# Altium PCB Tag201_GangProgrammerRev2.PcbDoc (part 1 of 7) (continued)
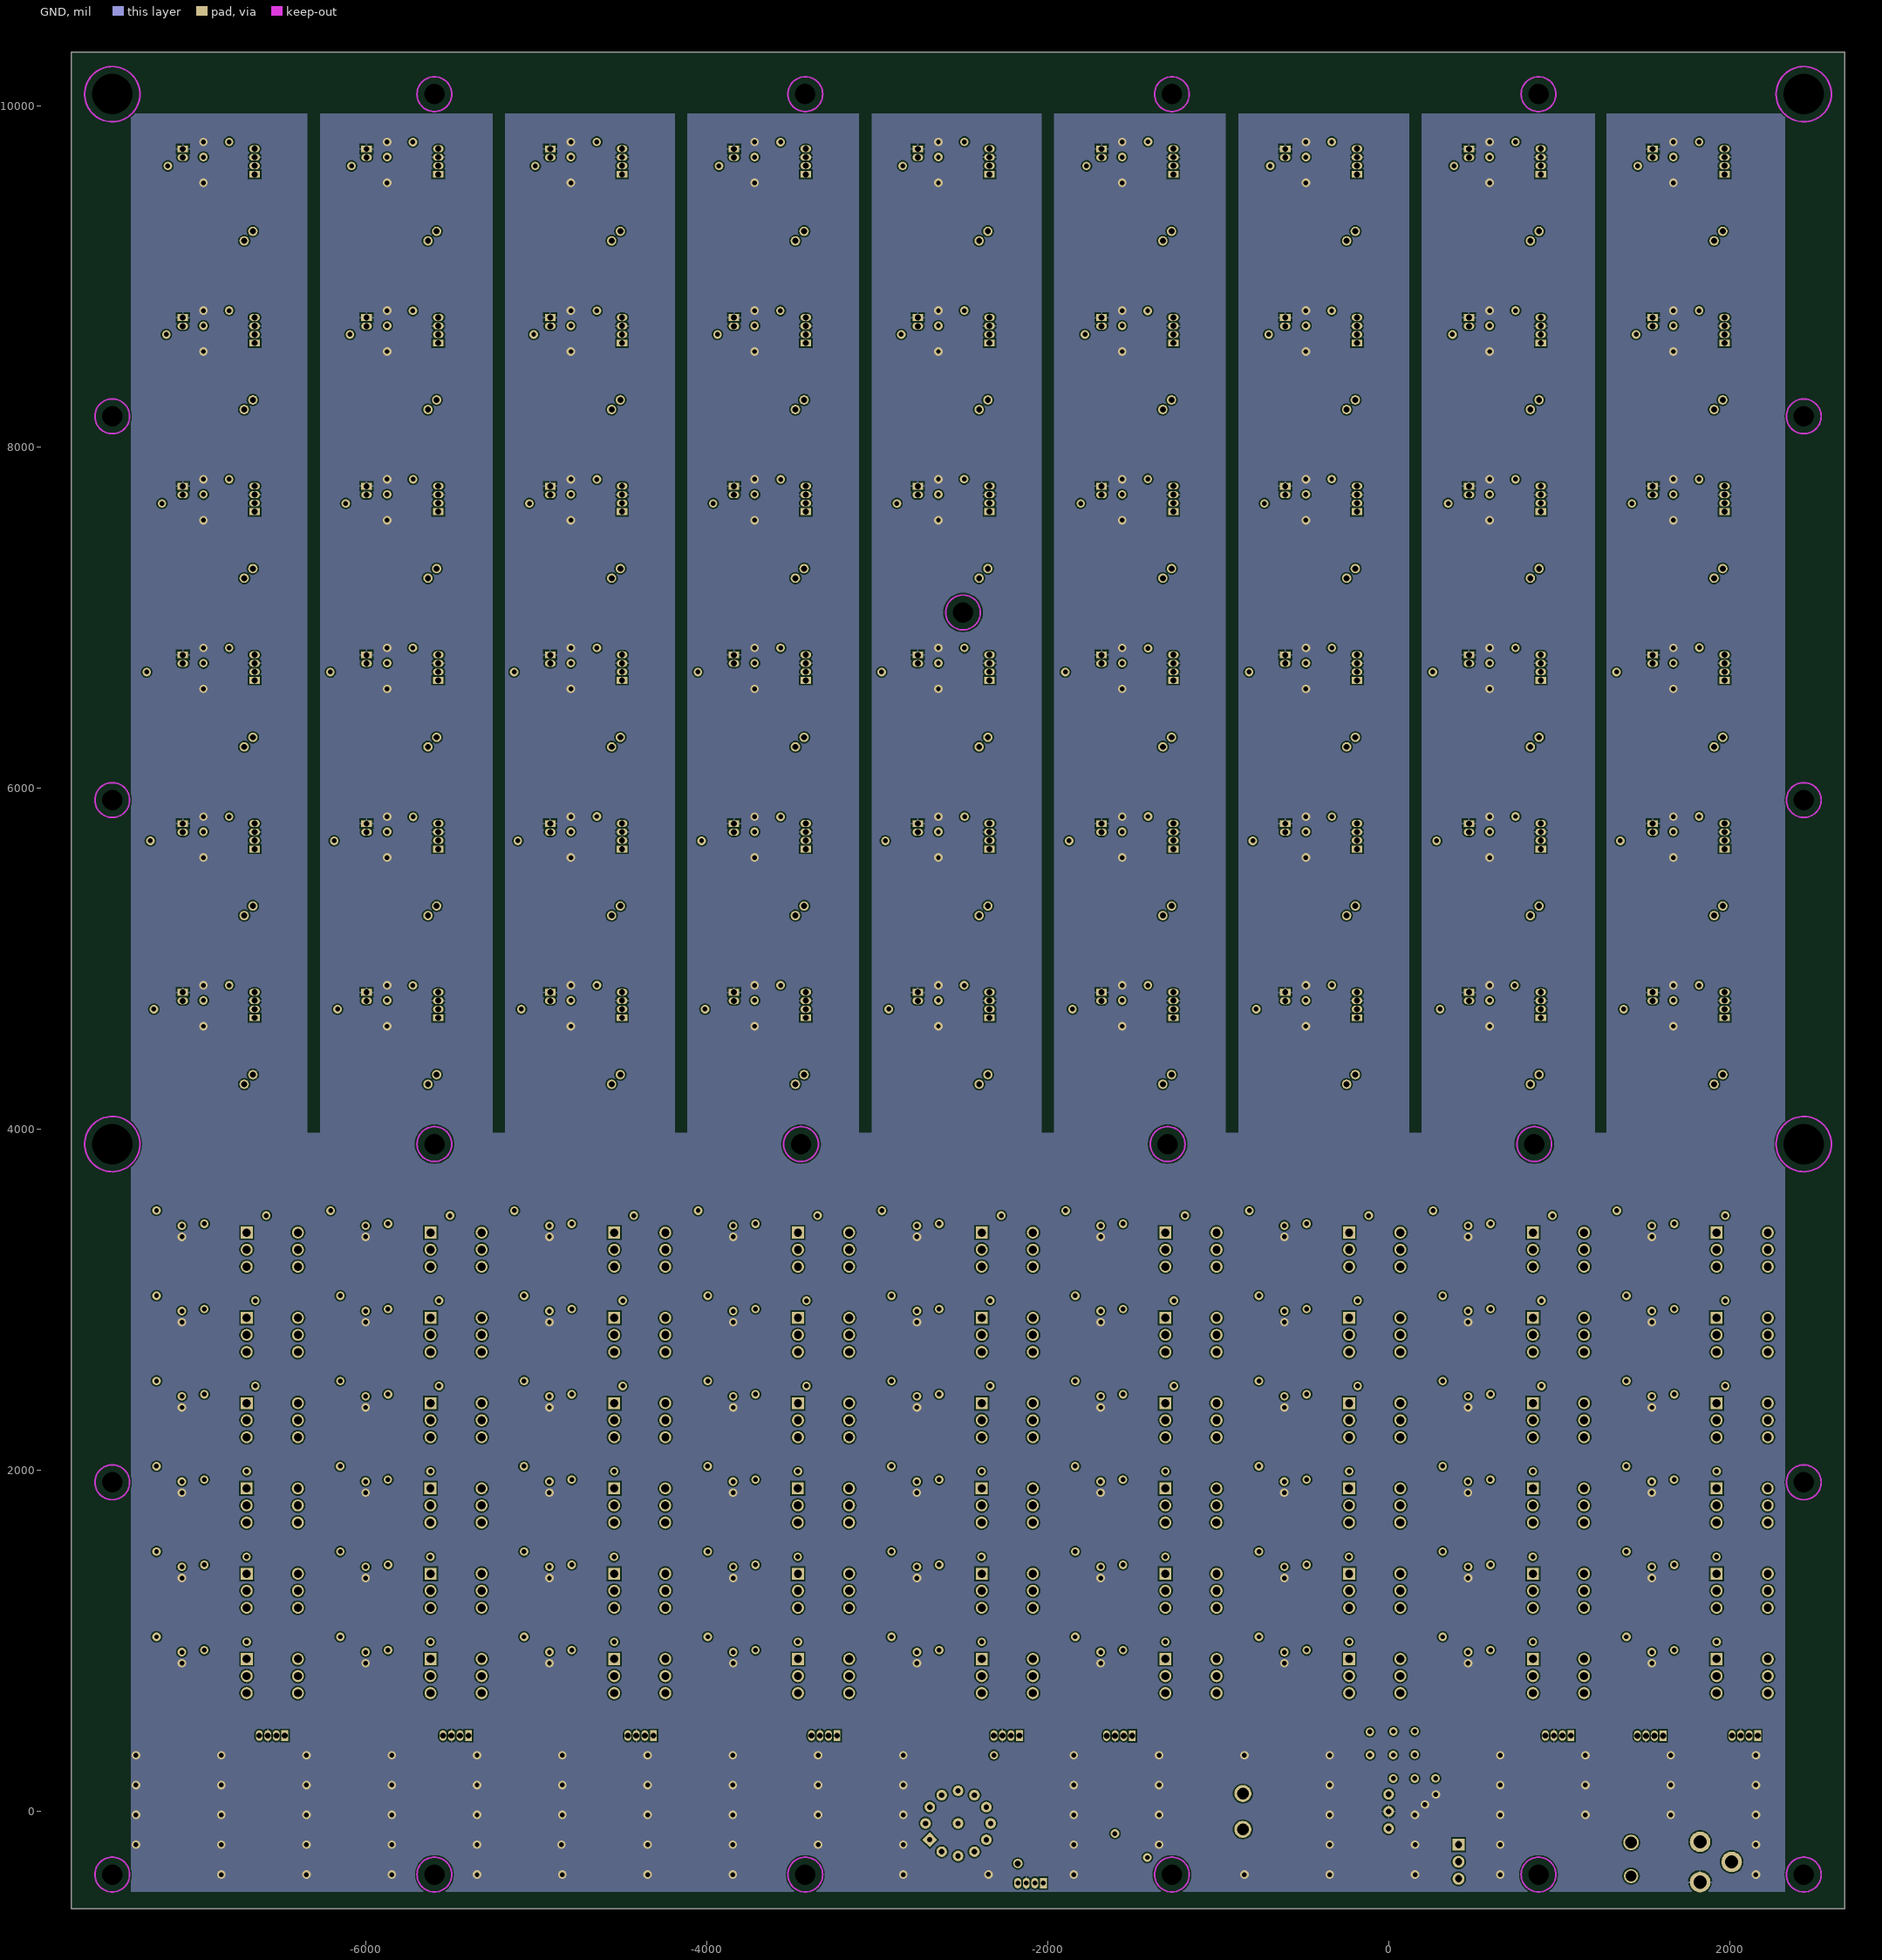
[diagram p3: GND]

## Layer stack, top to bottom
Top Layer: signal copper 1.4
Dielectric: core 10.5, FR-4, Dk 4.8
VCC: signal copper 1.4
Dielectric: prepreg 11.1, FR-4, Dk 4.8
GND: signal copper 1.4
Dielectric: core 40, FR-4, Dk 4.8
Bottom Layer: signal copper 1.4

## Board outline
-7725,-570 -7725,10315 2675,10315 2675,-570

## Design rules (kind name [scope] priority, off if disabled: settings)
Clearance [All] p1: gap=8
FabricationTestpoint [(IsPad And (OnTopLayer Or OnBottomLayer))] p1: side=3 testpointundercomponent=TRUE minsize=40 maxsize=100 preferedsize=60 minholesize=0 maxholesize=40 preferedholesize=32 testpointgrid=1 allowsidetop=TRUE allowsidebottom=TRUE usegrid=TRUE gridtolerance=0.01
Height [All] p1: minheight=0 maxheight=1100 prefheight=500
HoleSize [All] p1: absolutevalues=TRUE maxlimit=250 minlimit=12 maxpercent=80.000 minpercent=20.000
MinimumSolderMaskSliver [All] p1: minsoldermaskwidth=5
PolygonConnect PolygonConnectVia [All vs IsVia] p1: connectstyle=Direct reliefconductorwidth=10 reliefentries=4 polygonreliefangle="90 Angle" airgapwidth=10
PolygonConnect [All] p2: connectstyle=Relief reliefconductorwidth=10 reliefentries=4 polygonreliefangle="90 Angle" airgapwidth=10
RoomDefinition COL5_ROW1 [InComponentClass('COL5_ROW1')] p1: confinementstyle=ConfineIn formatcopy=FALSE lockcomponents=FALSE outline -3064,3080 -1986.5,3080 -1986.5,9958 -3064,9958
RoomDefinition COL5_ROW2 [InComponentClass('COL5_ROW2')] p2: confinementstyle=ConfineIn formatcopy=FALSE lockcomponents=FALSE outline -3064,2580 -1986.5,2580 -1986.5,8969 -3064,8969
RoomDefinition COL5_ROW3 [InComponentClass('COL5_ROW3')] p3: confinementstyle=ConfineIn formatcopy=FALSE lockcomponents=FALSE outline -3064,2080 -1986.5,2080 -1986.5,7980 -3064,7980
RoomDefinition COL5_ROW4 [InComponentClass('COL5_ROW4')] p4: confinementstyle=ConfineIn formatcopy=FALSE lockcomponents=FALSE outline -3064,1580 -1986.5,1580 -1986.5,6991 -3064,6991
RoomDefinition COL5_ROW5 [InComponentClass('COL5_ROW5')] p5: confinementstyle=ConfineIn formatcopy=FALSE lockcomponents=FALSE outline -3064,1080 -1986.5,1080 -1986.5,6002 -3064,6002
RoomDefinition COL5_ROW6 [InComponentClass('COL5_ROW6')] p6: confinementstyle=ConfineIn formatcopy=TRUE lockcomponents=FALSE outline -3064,580 -1986.5,580 -1986.5,5013 -3064,5013
RoomDefinition COL6_ROW1 [InComponentClass('COL6_ROW1')] p7: confinementstyle=ConfineIn formatcopy=FALSE lockcomponents=FALSE outline -1986.5,3080 -909,3080 -909,9958 -1986.5,9958
RoomDefinition COL6_ROW2 [InComponentClass('COL6_ROW2')] p8: confinementstyle=ConfineIn formatcopy=FALSE lockcomponents=FALSE outline -1986.5,2580 -909,2580 -909,8969 -1986.5,8969
RoomDefinition COL6_ROW3 [InComponentClass('COL6_ROW3')] p9: confinementstyle=ConfineIn formatcopy=FALSE lockcomponents=FALSE outline -1986.5,2080 -909,2080 -909,7980 -1986.5,7980
RoomDefinition COL6_ROW4 [InComponentClass('COL6_ROW4')] p10: confinementstyle=ConfineIn formatcopy=FALSE lockcomponents=FALSE outline -1986.5,1580 -909,1580 -909,6991 -1986.5,6991
RoomDefinition COL6_ROW5 [InComponentClass('COL6_ROW5')] p11: confinementstyle=ConfineIn formatcopy=FALSE lockcomponents=FALSE outline -1986.5,1080 -909,1080 -909,6002 -1986.5,6002
RoomDefinition COL6_ROW6 [InComponentClass('COL6_ROW6')] p12: confinementstyle=ConfineIn formatcopy=TRUE lockcomponents=FALSE outline -1986.5,580 -909,580 -909,5013 -1986.5,5013
RoomDefinition COL7_ROW1 [InComponentClass('COL7_ROW1')] p13: confinementstyle=ConfineIn formatcopy=FALSE lockcomponents=FALSE outline -909,3080 168.5,3080 168.5,9958 -909,9958
RoomDefinition COL7_ROW2 [InComponentClass('COL7_ROW2')] p14: confinementstyle=ConfineIn formatcopy=FALSE lockcomponents=FALSE outline -909,2580 168.5,2580 168.5,8969 -909,8969
RoomDefinition COL7_ROW3 [InComponentClass('COL7_ROW3')] p15: confinementstyle=ConfineIn formatcopy=FALSE lockcomponents=FALSE outline -909,2080 168.5,2080 168.5,7980 -909,7980
RoomDefinition COL7_ROW4 [InComponentClass('COL7_ROW4')] p16: confinementstyle=ConfineIn formatcopy=FALSE lockcomponents=FALSE outline -909,1580 168.5,1580 168.5,6991 -909,6991
RoomDefinition COL7_ROW5 [InComponentClass('COL7_ROW5')] p17: confinementstyle=ConfineIn formatcopy=FALSE lockcomponents=FALSE outline -909,1080 168.5,1080 168.5,6002 -909,6002
RoomDefinition COL7_ROW6 [InComponentClass('COL7_ROW6')] p18: confinementstyle=ConfineIn formatcopy=TRUE lockcomponents=FALSE outline -909,580 168.5,580 168.5,5013 -909,5013
RoomDefinition COL8_ROW1 [InComponentClass('COL8_ROW1')] p19: confinementstyle=ConfineIn formatcopy=FALSE lockcomponents=FALSE outline 168.5,3080 1246,3080 1246,9958 168.5,9958
RoomDefinition COL8_ROW2 [InComponentClass('COL8_ROW2')] p20: confinementstyle=ConfineIn formatcopy=FALSE lockcomponents=FALSE outline 168.5,2580 1246,2580 1246,8969 168.5,8969
RoomDefinition COL8_ROW3 [InComponentClass('COL8_ROW3')] p21: confinementstyle=ConfineIn formatcopy=FALSE lockcomponents=FALSE outline 168.5,2080 1246,2080 1246,7980 168.5,7980
RoomDefinition COL8_ROW4 [InComponentClass('COL8_ROW4')] p22: confinementstyle=ConfineIn formatcopy=FALSE lockcomponents=FALSE outline 168.5,1580 1246,1580 1246,6991 168.5,6991
RoomDefinition COL8_ROW5 [InComponentClass('COL8_ROW5')] p23: confinementstyle=ConfineIn formatcopy=FALSE lockcomponents=FALSE outline 168.5,1080 1246,1080 1246,6002 168.5,6002
RoomDefinition COL8_ROW6 [InComponentClass('COL8_ROW6')] p24: confinementstyle=ConfineIn formatcopy=TRUE lockcomponents=FALSE outline 168.5,580 1246,580 1246,5013 168.5,5013
RoomDefinition COL9_ROW3 [InComponentClass('COL9_ROW3')] p25: confinementstyle=ConfineIn formatcopy=FALSE lockcomponents=FALSE outline 1246,2080 2323.5,2080 2323.5,7980 1246,7980
RoomDefinition COL9_ROW1 [InComponentClass('COL9_ROW1')] p26: confinementstyle=ConfineIn formatcopy=FALSE lockcomponents=FALSE outline 1246,3080 2323.5,3080 2323.5,9958 1246,9958
RoomDefinition COL9_ROW2 [InComponentClass('COL9_ROW2')] p27: confinementstyle=ConfineIn formatcopy=FALSE lockcomponents=FALSE outline 1246,2580 2323.5,2580 2323.5,8969 1246,8969
RoomDefinition COL9_ROW4 [InComponentClass('COL9_ROW4')] p28: confinementstyle=ConfineIn formatcopy=FALSE lockcomponents=FALSE outline 1246,1580 2323.5,1580 2323.5,6991 1246,6991
RoomDefinition COL9_ROW5 [InComponentClass('COL9_ROW5')] p29: confinementstyle=ConfineIn formatcopy=FALSE lockcomponents=FALSE outline 1246,1080 2323.5,1080 2323.5,6002 1246,6002
RoomDefinition COL9_ROW6 [InComponentClass('COL9_ROW6')] p30: confinementstyle=ConfineIn formatcopy=TRUE lockcomponents=FALSE outline 1246,580 2323.5,580 2323.5,5013 1246,5013
RoomDefinition COL4_ROW6 [InComponentClass('COL4_ROW6')] p31: confinementstyle=ConfineIn formatcopy=TRUE lockcomponents=FALSE outline -4141.5,580 -3064,580 -3064,5013 -4141.5,5013
RoomDefinition COL4_ROW5 [InComponentClass('COL4_ROW5')] p32: confinementstyle=ConfineIn formatcopy=FALSE lockcomponents=FALSE outline -4141.5,1080 -3064,1080 -3064,6002 -4141.5,6002
RoomDefinition COL4_ROW4 [InComponentClass('COL4_ROW4')] p33: confinementstyle=ConfineIn formatcopy=FALSE lockcomponents=FALSE outline -4141.5,1580 -3064,1580 -3064,6991 -4141.5,6991
RoomDefinition COL4_ROW3 [InComponentClass('COL4_ROW3')] p34: confinementstyle=ConfineIn formatcopy=FALSE lockcomponents=FALSE outline -4141.5,2080 -3064,2080 -3064,7980 -4141.5,7980
RoomDefinition COL4_ROW2 [InComponentClass('COL4_ROW2')] p35: confinementstyle=ConfineIn formatcopy=FALSE lockcomponents=FALSE outline -4141.5,2580 -3064,2580 -3064,8969 -4141.5,8969
RoomDefinition COL4_ROW1 [InComponentClass('COL4_ROW1')] p36: confinementstyle=ConfineIn formatcopy=FALSE lockcomponents=FALSE outline -4141.5,3080 -3064,3080 -3064,9958 -4141.5,9958
RoomDefinition COL3_ROW6 [InComponentClass('COL3_ROW6')] p37: confinementstyle=ConfineIn formatcopy=TRUE lockcomponents=FALSE outline -5219,580 -4141.5,580 -4141.5,5013 -5219,5013
RoomDefinition COL3_ROW5 [InComponentClass('COL3_ROW5')] p38: confinementstyle=ConfineIn formatcopy=FALSE lockcomponents=FALSE outline -5219,1080 -4141.5,1080 -4141.5,6002 -5219,6002
RoomDefinition COL3_ROW4 [InComponentClass('COL3_ROW4')] p39: confinementstyle=ConfineIn formatcopy=FALSE lockcomponents=FALSE outline -5219,1580 -4141.5,1580 -4141.5,6991 -5219,6991
RoomDefinition COL3_ROW3 [InComponentClass('COL3_ROW3')] p40: confinementstyle=ConfineIn formatcopy=FALSE lockcomponents=FALSE outline -5219,2080 -4141.5,2080 -4141.5,7980 -5219,7980
RoomDefinition COL3_ROW2 [InComponentClass('COL3_ROW2')] p41: confinementstyle=ConfineIn formatcopy=FALSE lockcomponents=FALSE outline -5219,2580 -4141.5,2580 -4141.5,8969 -5219,8969
RoomDefinition COL3_ROW1 [InComponentClass('COL3_ROW1')] p42: confinementstyle=ConfineIn formatcopy=FALSE lockcomponents=FALSE outline -5219,3080 -4141.5,3080 -4141.5,9958 -5219,9958
RoomDefinition COL2_ROW6 [InComponentClass('COL2_ROW6')] p43: confinementstyle=ConfineIn formatcopy=FALSE lockcomponents=FALSE outline -6296.5,580 -5219,580 -5219,5013 -6296.5,5013
RoomDefinition COL2_ROW5 [InComponentClass('COL2_ROW5')] p44: confinementstyle=ConfineIn formatcopy=FALSE lockcomponents=FALSE outline -6296.5,1080 -5219,1080 -5219,6002 -6296.5,6002
RoomDefinition COL2_ROW3 [InComponentClass('COL2_ROW3')] p45: confinementstyle=ConfineIn formatcopy=FALSE lockcomponents=FALSE outline -6296.5,2080 -5219,2080 -5219,7980 -6296.5,7980
RoomDefinition COL2_ROW2 [InComponentClass('COL2_ROW2')] p46: confinementstyle=ConfineIn formatcopy=FALSE lockcomponents=FALSE outline -6296.5,2580 -5219,2580 -5219,8969 -6296.5,8969
RoomDefinition COL2_ROW1 [InComponentClass('COL2_ROW1')] p47: confinementstyle=ConfineIn formatcopy=FALSE lockcomponents=FALSE outline -6296.5,3080 -5219,3080 -5219,9958 -6296.5,9958
RoomDefinition COL1_ROW6 [InComponentClass('COL1_ROW6')] p48: confinementstyle=ConfineIn formatcopy=FALSE lockcomponents=FALSE outline -7374,580 -6296.5,580 -6296.5,5013 -7374,5013
RoomDefinition COL1_ROW5 [InComponentClass('COL1_ROW5')] p49: confinementstyle=ConfineIn formatcopy=FALSE lockcomponents=FALSE outline -7374,1080 -6296.5,1080 -6296.5,6002 -7374,6002
RoomDefinition COL1_ROW4 [InComponentClass('COL1_ROW4')] p50: confinementstyle=ConfineIn formatcopy=FALSE lockcomponents=FALSE outline -7374,1580 -6296.5,1580 -6296.5,6991 -7374,6991
RoomDefinition COL1_ROW3 [InComponentClass('COL1_ROW3')] p51: confinementstyle=ConfineIn formatcopy=FALSE lockcomponents=FALSE outline -7374,2080 -6296.5,2080 -6296.5,7980 -7374,7980
RoomDefinition COL1_ROW2 [InComponentClass('COL1_ROW2')] p52: confinementstyle=ConfineIn formatcopy=FALSE lockcomponents=FALSE outline -7374,2580 -6296.5,2580 -6296.5,8969 -7374,8969
RoomDefinition COL1_ROW1 [InComponentClass('COL1_ROW1')] p53: confinementstyle=ConfineIn formatcopy=FALSE lockcomponents=FALSE outline -7374,3080 -6296.5,3080 -6296.5,9958 -7374,9958
RoomDefinition COL2_ROW4 [InComponentClass('COL2_ROW4')] p54: confinementstyle=ConfineIn formatcopy=FALSE lockcomponents=FALSE outline -6296.5,1580 -5219,1580 -5219,6991 -6296.5,6991
RoutingVias [All] p1: holewidth=12 width=20 viastyle="Through Hole" minholewidth=12 minwidth=26 maxholewidth=28 maxwidth=50
SilkToSilkClearance [All] p1 off: silktosilkclearance=2
SilkscreenOverComponentPads [All] p1: minsilkscreentomaskgap=2
SolderMaskExpansion [All] p1: expansion=4
Width [All] p1: maxlimit=50 minlimit=8 preferedwidth=10
22 further rules are at their usual default settings.

## Classes and differential pairs
net class DEBUG_COL[1..9]: DEBUG_COL1 DEBUG_COL2 DEBUG_COL3 DEBUG_COL4 DEBUG_COL5 DEBUG_COL6 DEBUG_COL7 DEBUG_COL8 DEBUG_COL9
channel class SingleBoardColumnRev2: ROW1 ROW2 ROW3 ROW4 ROW5 ROW6 ROW7 ROW8 ROW9
component class COL9_ROW6: C1_COL9_ROW6 C2_COL9_ROW6 C3_COL9_ROW6 D1_COL9_ROW6 J1_COL9_ROW6 J2_COL9_ROW6 P1_COL9_ROW6 P2_COL9_ROW6 R1_COL9_ROW6 R2_COL9_ROW6 R3_COL9_ROW6 R4_COL9_ROW6 S1_COL9_ROW6 U1_COL9_ROW6 U3_COL9_ROW6
component class COL9_ROW5: C1_COL9_ROW5 C2_COL9_ROW5 C3_COL9_ROW5 D1_COL9_ROW5 J1_COL9_ROW5 J2_COL9_ROW5 P1_COL9_ROW5 P2_COL9_ROW5 R1_COL9_ROW5 R2_COL9_ROW5 R3_COL9_ROW5 R4_COL9_ROW5 S1_COL9_ROW5 U1_COL9_ROW5 U3_COL9_ROW5
component class COL9_ROW4: C1_COL9_ROW4 C2_COL9_ROW4 C3_COL9_ROW4 D1_COL9_ROW4 J1_COL9_ROW4 J2_COL9_ROW4 P1_COL9_ROW4 P2_COL9_ROW4 R1_COL9_ROW4 R2_COL9_ROW4 R3_COL9_ROW4 R4_COL9_ROW4 S1_COL9_ROW4 U1_COL9_ROW4 U3_COL9_ROW4
component class COL9_ROW3: C1_COL9_ROW3 C2_COL9_ROW3 C3_COL9_ROW3 D1_COL9_ROW3 J1_COL9_ROW3 J2_COL9_ROW3 P1_COL9_ROW3 P2_COL9_ROW3 R1_COL9_ROW3 R2_COL9_ROW3 R3_COL9_ROW3 R4_COL9_ROW3 S1_COL9_ROW3 U1_COL9_ROW3 U3_COL9_ROW3
component class COL9_ROW2: C1_COL9_ROW2 C2_COL9_ROW2 C3_COL9_ROW2 D1_COL9_ROW2 J1_COL9_ROW2 J2_COL9_ROW2 P1_COL9_ROW2 P2_COL9_ROW2 R1_COL9_ROW2 R2_COL9_ROW2 R3_COL9_ROW2 R4_COL9_ROW2 S1_COL9_ROW2 U1_COL9_ROW2 U3_COL9_ROW2
component class COL9_ROW1: C1_COL9_ROW1 C2_COL9_ROW1 C3_COL9_ROW1 D1_COL9_ROW1 J1_COL9_ROW1 J2_COL9_ROW1 P1_COL9_ROW1 P2_COL9_ROW1 R1_COL9_ROW1 R2_COL9_ROW1 R3_COL9_ROW1 R4_COL9_ROW1 S1_COL9_ROW1 U1_COL9_ROW1 U3_COL9_ROW1
component class COL8_ROW6: C1_COL8_ROW6 C2_COL8_ROW6 C3_COL8_ROW6 D1_COL8_ROW6 J1_COL8_ROW6 J2_COL8_ROW6 P1_COL8_ROW6 P2_COL8_ROW6 R1_COL8_ROW6 R2_COL8_ROW6 R3_COL8_ROW6 R4_COL8_ROW6 S1_COL8_ROW6 U1_COL8_ROW6 U3_COL8_ROW6
component class COL8_ROW5: C1_COL8_ROW5 C2_COL8_ROW5 C3_COL8_ROW5 D1_COL8_ROW5 J1_COL8_ROW5 J2_COL8_ROW5 P1_COL8_ROW5 P2_COL8_ROW5 R1_COL8_ROW5 R2_COL8_ROW5 R3_COL8_ROW5 R4_COL8_ROW5 S1_COL8_ROW5 U1_COL8_ROW5 U3_COL8_ROW5
component class COL8_ROW4: C1_COL8_ROW4 C2_COL8_ROW4 C3_COL8_ROW4 D1_COL8_ROW4 J1_COL8_ROW4 J2_COL8_ROW4 P1_COL8_ROW4 P2_COL8_ROW4 R1_COL8_ROW4 R2_COL8_ROW4 R3_COL8_ROW4 R4_COL8_ROW4 S1_COL8_ROW4 U1_COL8_ROW4 U3_COL8_ROW4
component class COL8_ROW3: C1_COL8_ROW3 C2_COL8_ROW3 C3_COL8_ROW3 D1_COL8_ROW3 J1_COL8_ROW3 J2_COL8_ROW3 P1_COL8_ROW3 P2_COL8_ROW3 R1_COL8_ROW3 R2_COL8_ROW3 R3_COL8_ROW3 R4_COL8_ROW3 S1_COL8_ROW3 U1_COL8_ROW3 U3_COL8_ROW3
component class COL8_ROW2: C1_COL8_ROW2 C2_COL8_ROW2 C3_COL8_ROW2 D1_COL8_ROW2 J1_COL8_ROW2 J2_COL8_ROW2 P1_COL8_ROW2 P2_COL8_ROW2 R1_COL8_ROW2 R2_COL8_ROW2 R3_COL8_ROW2 R4_COL8_ROW2 S1_COL8_ROW2 U1_COL8_ROW2 U3_COL8_ROW2
component class COL8_ROW1: C1_COL8_ROW1 C2_COL8_ROW1 C3_COL8_ROW1 D1_COL8_ROW1 J1_COL8_ROW1 J2_COL8_ROW1 P1_COL8_ROW1 P2_COL8_ROW1 R1_COL8_ROW1 R2_COL8_ROW1 R3_COL8_ROW1 R4_COL8_ROW1 S1_COL8_ROW1 U1_COL8_ROW1 U3_COL8_ROW1
component class COL7_ROW6: C1_COL7_ROW6 C2_COL7_ROW6 C3_COL7_ROW6 D1_COL7_ROW6 J1_COL7_ROW6 J2_COL7_ROW6 P1_COL7_ROW6 P2_COL7_ROW6 R1_COL7_ROW6 R2_COL7_ROW6 R3_COL7_ROW6 R4_COL7_ROW6 S1_COL7_ROW6 U1_COL7_ROW6 U3_COL7_ROW6
component class COL7_ROW5: C1_COL7_ROW5 C2_COL7_ROW5 C3_COL7_ROW5 D1_COL7_ROW5 J1_COL7_ROW5 J2_COL7_ROW5 P1_COL7_ROW5 P2_COL7_ROW5 R1_COL7_ROW5 R2_COL7_ROW5 R3_COL7_ROW5 R4_COL7_ROW5 S1_COL7_ROW5 U1_COL7_ROW5 U3_COL7_ROW5
component class COL7_ROW4: C1_COL7_ROW4 C2_COL7_ROW4 C3_COL7_ROW4 D1_COL7_ROW4 J1_COL7_ROW4 J2_COL7_ROW4 P1_COL7_ROW4 P2_COL7_ROW4 R1_COL7_ROW4 R2_COL7_ROW4 R3_COL7_ROW4 R4_COL7_ROW4 S1_COL7_ROW4 U1_COL7_ROW4 U3_COL7_ROW4
component class COL7_ROW3: C1_COL7_ROW3 C2_COL7_ROW3 C3_COL7_ROW3 D1_COL7_ROW3 J1_COL7_ROW3 J2_COL7_ROW3 P1_COL7_ROW3 P2_COL7_ROW3 R1_COL7_ROW3 R2_COL7_ROW3 R3_COL7_ROW3 R4_COL7_ROW3 S1_COL7_ROW3 U1_COL7_ROW3 U3_COL7_ROW3
component class COL7_ROW2: C1_COL7_ROW2 C2_COL7_ROW2 C3_COL7_ROW2 D1_COL7_ROW2 J1_COL7_ROW2 J2_COL7_ROW2 P1_COL7_ROW2 P2_COL7_ROW2 R1_COL7_ROW2 R2_COL7_ROW2 R3_COL7_ROW2 R4_COL7_ROW2 S1_COL7_ROW2 U1_COL7_ROW2 U3_COL7_ROW2
component class COL7_ROW1: C1_COL7_ROW1 C2_COL7_ROW1 C3_COL7_ROW1 D1_COL7_ROW1 J1_COL7_ROW1 J2_COL7_ROW1 P1_COL7_ROW1 P2_COL7_ROW1 R1_COL7_ROW1 R2_COL7_ROW1 R3_COL7_ROW1 R4_COL7_ROW1 S1_COL7_ROW1 U1_COL7_ROW1 U3_COL7_ROW1
component class COL6_ROW6: C1_COL6_ROW6 C2_COL6_ROW6 C3_COL6_ROW6 D1_COL6_ROW6 J1_COL6_ROW6 J2_COL6_ROW6 P1_COL6_ROW6 P2_COL6_ROW6 R1_COL6_ROW6 R2_COL6_ROW6 R3_COL6_ROW6 R4_COL6_ROW6 S1_COL6_ROW6 U1_COL6_ROW6 U3_COL6_ROW6
component class COL6_ROW5: C1_COL6_ROW5 C2_COL6_ROW5 C3_COL6_ROW5 D1_COL6_ROW5 J1_COL6_ROW5 J2_COL6_ROW5 P1_COL6_ROW5 P2_COL6_ROW5 R1_COL6_ROW5 R2_COL6_ROW5 R3_COL6_ROW5 R4_COL6_ROW5 S1_COL6_ROW5 U1_COL6_ROW5 U3_COL6_ROW5
component class COL6_ROW4: C1_COL6_ROW4 C2_COL6_ROW4 C3_COL6_ROW4 D1_COL6_ROW4 J1_COL6_ROW4 J2_COL6_ROW4 P1_COL6_ROW4 P2_COL6_ROW4 R1_COL6_ROW4 R2_COL6_ROW4 R3_COL6_ROW4 R4_COL6_ROW4 S1_COL6_ROW4 U1_COL6_ROW4 U3_COL6_ROW4
component class COL6_ROW3: C1_COL6_ROW3 C2_COL6_ROW3 C3_COL6_ROW3 D1_COL6_ROW3 J1_COL6_ROW3 J2_COL6_ROW3 P1_COL6_ROW3 P2_COL6_ROW3 R1_COL6_ROW3 R2_COL6_ROW3 R3_COL6_ROW3 R4_COL6_ROW3 S1_COL6_ROW3 U1_COL6_ROW3 U3_COL6_ROW3
component class COL6_ROW2: C1_COL6_ROW2 C2_COL6_ROW2 C3_COL6_ROW2 D1_COL6_ROW2 J1_COL6_ROW2 J2_COL6_ROW2 P1_COL6_ROW2 P2_COL6_ROW2 R1_COL6_ROW2 R2_COL6_ROW2 R3_COL6_ROW2 R4_COL6_ROW2 S1_COL6_ROW2 U1_COL6_ROW2 U3_COL6_ROW2
component class COL6_ROW1: C1_COL6_ROW1 C2_COL6_ROW1 C3_COL6_ROW1 D1_COL6_ROW1 J1_COL6_ROW1 J2_COL6_ROW1 P1_COL6_ROW1 P2_COL6_ROW1 R1_COL6_ROW1 R2_COL6_ROW1 R3_COL6_ROW1 R4_COL6_ROW1 S1_COL6_ROW1 U1_COL6_ROW1 U3_COL6_ROW1
component class COL5_ROW6: C1_COL5_ROW6 C2_COL5_ROW6 C3_COL5_ROW6 D1_COL5_ROW6 J1_COL5_ROW6 J2_COL5_ROW6 P1_COL5_ROW6 P2_COL5_ROW6 R1_COL5_ROW6 R2_COL5_ROW6 R3_COL5_ROW6 R4_COL5_ROW6 S1_COL5_ROW6 U1_COL5_ROW6 U3_COL5_ROW6
component class COL5_ROW5: C1_COL5_ROW5 C2_COL5_ROW5 C3_COL5_ROW5 D1_COL5_ROW5 J1_COL5_ROW5 J2_COL5_ROW5 P1_COL5_ROW5 P2_COL5_ROW5 R1_COL5_ROW5 R2_COL5_ROW5 R3_COL5_ROW5 R4_COL5_ROW5 S1_COL5_ROW5 U1_COL5_ROW5 U3_COL5_ROW5
component class COL5_ROW4: C1_COL5_ROW4 C2_COL5_ROW4 C3_COL5_ROW4 D1_COL5_ROW4 J1_COL5_ROW4 J2_COL5_ROW4 P1_COL5_ROW4 P2_COL5_ROW4 R1_COL5_ROW4 R2_COL5_ROW4 R3_COL5_ROW4 R4_COL5_ROW4 S1_COL5_ROW4 U1_COL5_ROW4 U3_COL5_ROW4
component class COL5_ROW3: C1_COL5_ROW3 C2_COL5_ROW3 C3_COL5_ROW3 D1_COL5_ROW3 J1_COL5_ROW3 J2_COL5_ROW3 P1_COL5_ROW3 P2_COL5_ROW3 R1_COL5_ROW3 R2_COL5_ROW3 R3_COL5_ROW3 R4_COL5_ROW3 S1_COL5_ROW3 U1_COL5_ROW3 U3_COL5_ROW3
component class COL5_ROW2: C1_COL5_ROW2 C2_COL5_ROW2 C3_COL5_ROW2 D1_COL5_ROW2 J1_COL5_ROW2 J2_COL5_ROW2 P1_COL5_ROW2 P2_COL5_ROW2 R1_COL5_ROW2 R2_COL5_ROW2 R3_COL5_ROW2 R4_COL5_ROW2 S1_COL5_ROW2 U1_COL5_ROW2 U3_COL5_ROW2
component class COL5_ROW1: C1_COL5_ROW1 C2_COL5_ROW1 C3_COL5_ROW1 D1_COL5_ROW1 J1_COL5_ROW1 J2_COL5_ROW1 P1_COL5_ROW1 P2_COL5_ROW1 R1_COL5_ROW1 R2_COL5_ROW1 R3_COL5_ROW1 R4_COL5_ROW1 S1_COL5_ROW1 U1_COL5_ROW1 U3_COL5_ROW1
component class COL4_ROW6: C1_COL4_ROW6 C2_COL4_ROW6 C3_COL4_ROW6 D1_COL4_ROW6 J1_COL4_ROW6 J2_COL4_ROW6 P1_COL4_ROW6 P2_COL4_ROW6 R1_COL4_ROW6 R2_COL4_ROW6 R3_COL4_ROW6 R4_COL4_ROW6 S1_COL4_ROW6 U1_COL4_ROW6 U3_COL4_ROW6
component class COL4_ROW5: C1_COL4_ROW5 C2_COL4_ROW5 C3_COL4_ROW5 D1_COL4_ROW5 J1_COL4_ROW5 J2_COL4_ROW5 P1_COL4_ROW5 P2_COL4_ROW5 R1_COL4_ROW5 R2_COL4_ROW5 R3_COL4_ROW5 R4_COL4_ROW5 S1_COL4_ROW5 U1_COL4_ROW5 U3_COL4_ROW5
component class COL4_ROW4: C1_COL4_ROW4 C2_COL4_ROW4 C3_COL4_ROW4 D1_COL4_ROW4 J1_COL4_ROW4 J2_COL4_ROW4 P1_COL4_ROW4 P2_COL4_ROW4 R1_COL4_ROW4 R2_COL4_ROW4 R3_COL4_ROW4 R4_COL4_ROW4 S1_COL4_ROW4 U1_COL4_ROW4 U3_COL4_ROW4
component class COL4_ROW3: C1_COL4_ROW3 C2_COL4_ROW3 C3_COL4_ROW3 D1_COL4_ROW3 J1_COL4_ROW3 J2_COL4_ROW3 P1_COL4_ROW3 P2_COL4_ROW3 R1_COL4_ROW3 R2_COL4_ROW3 R3_COL4_ROW3 R4_COL4_ROW3 S1_COL4_ROW3 U1_COL4_ROW3 U3_COL4_ROW3
component class COL4_ROW2: C1_COL4_ROW2 C2_COL4_ROW2 C3_COL4_ROW2 D1_COL4_ROW2 J1_COL4_ROW2 J2_COL4_ROW2 P1_COL4_ROW2 P2_COL4_ROW2 R1_COL4_ROW2 R2_COL4_ROW2 R3_COL4_ROW2 R4_COL4_ROW2 S1_COL4_ROW2 U1_COL4_ROW2 U3_COL4_ROW2
component class COL4_ROW1: C1_COL4_ROW1 C2_COL4_ROW1 C3_COL4_ROW1 D1_COL4_ROW1 J1_COL4_ROW1 J2_COL4_ROW1 P1_COL4_ROW1 P2_COL4_ROW1 R1_COL4_ROW1 R2_COL4_ROW1 R3_COL4_ROW1 R4_COL4_ROW1 S1_COL4_ROW1 U1_COL4_ROW1 U3_COL4_ROW1
component class COL3_ROW6: C1_COL3_ROW6 C2_COL3_ROW6 C3_COL3_ROW6 D1_COL3_ROW6 J1_COL3_ROW6 J2_COL3_ROW6 P1_COL3_ROW6 P2_COL3_ROW6 R1_COL3_ROW6 R2_COL3_ROW6 R3_COL3_ROW6 R4_COL3_ROW6 S1_COL3_ROW6 U1_COL3_ROW6 U3_COL3_ROW6
component class COL3_ROW5: C1_COL3_ROW5 C2_COL3_ROW5 C3_COL3_ROW5 D1_COL3_ROW5 J1_COL3_ROW5 J2_COL3_ROW5 P1_COL3_ROW5 P2_COL3_ROW5 R1_COL3_ROW5 R2_COL3_ROW5 R3_COL3_ROW5 R4_COL3_ROW5 S1_COL3_ROW5 U1_COL3_ROW5 U3_COL3_ROW5
component class COL3_ROW4: C1_COL3_ROW4 C2_COL3_ROW4 C3_COL3_ROW4 D1_COL3_ROW4 J1_COL3_ROW4 J2_COL3_ROW4 P1_COL3_ROW4 P2_COL3_ROW4 R1_COL3_ROW4 R2_COL3_ROW4 R3_COL3_ROW4 R4_COL3_ROW4 S1_COL3_ROW4 U1_COL3_ROW4 U3_COL3_ROW4
component class COL3_ROW3: C1_COL3_ROW3 C2_COL3_ROW3 C3_COL3_ROW3 D1_COL3_ROW3 J1_COL3_ROW3 J2_COL3_ROW3 P1_COL3_ROW3 P2_COL3_ROW3 R1_COL3_ROW3 R2_COL3_ROW3 R3_COL3_ROW3 R4_COL3_ROW3 S1_COL3_ROW3 U1_COL3_ROW3 U3_COL3_ROW3
component class COL3_ROW2: C1_COL3_ROW2 C2_COL3_ROW2 C3_COL3_ROW2 D1_COL3_ROW2 J1_COL3_ROW2 J2_COL3_ROW2 P1_COL3_ROW2 P2_COL3_ROW2 R1_COL3_ROW2 R2_COL3_ROW2 R3_COL3_ROW2 R4_COL3_ROW2 S1_COL3_ROW2 U1_COL3_ROW2 U3_COL3_ROW2
component class COL3_ROW1: C1_COL3_ROW1 C2_COL3_ROW1 C3_COL3_ROW1 D1_COL3_ROW1 J1_COL3_ROW1 J2_COL3_ROW1 P1_COL3_ROW1 P2_COL3_ROW1 R1_COL3_ROW1 R2_COL3_ROW1 R3_COL3_ROW1 R4_COL3_ROW1 S1_COL3_ROW1 U1_COL3_ROW1 U3_COL3_ROW1
component class COL2_ROW6: C1_COL2_ROW6 C2_COL2_ROW6 C3_COL2_ROW6 D1_COL2_ROW6 J1_COL2_ROW6 J2_COL2_ROW6 P1_COL2_ROW6 P2_COL2_ROW6 R1_COL2_ROW6 R2_COL2_ROW6 R3_COL2_ROW6 R4_COL2_ROW6 S1_COL2_ROW6 U1_COL2_ROW6 U3_COL2_ROW6